# Altium PCB [Ref] TEST002_Bd.PcbDoc
Units mm, origin at the board's own origin, x right, y up, seen from the top; angles counter-clockwise.
Board outline 100 x 100 mm, 4 copper layers (L1 (Sig), L2 (GND), L3 (PWR), L4 (Sig)), stack 1.57 mm thick; 57 components, 19 nets, 1481 pads, 3 vias.
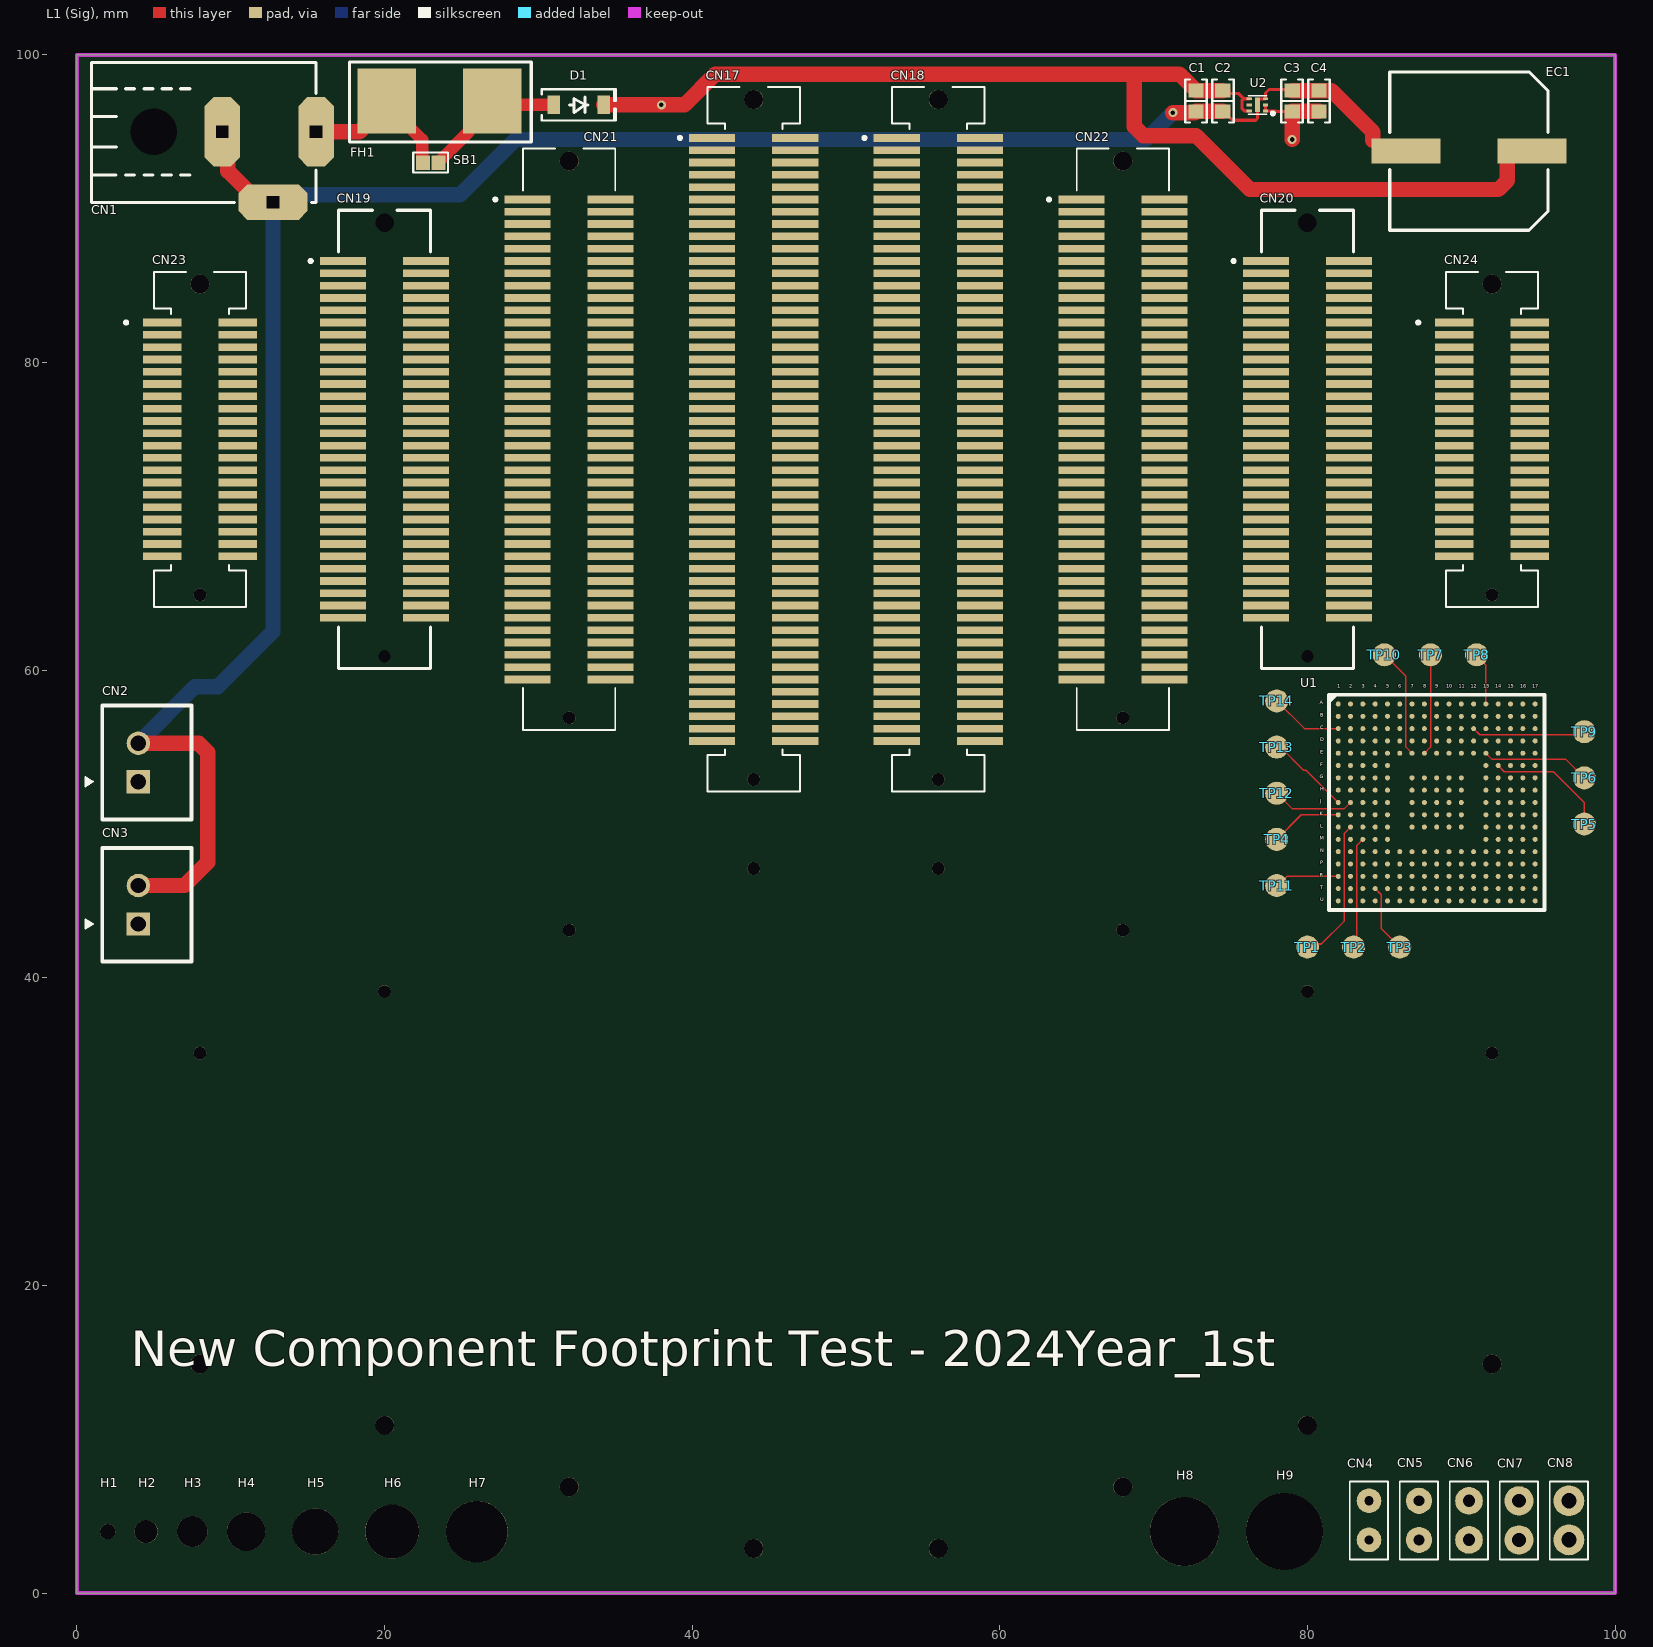
[diagram p0: L1 (Sig) view]
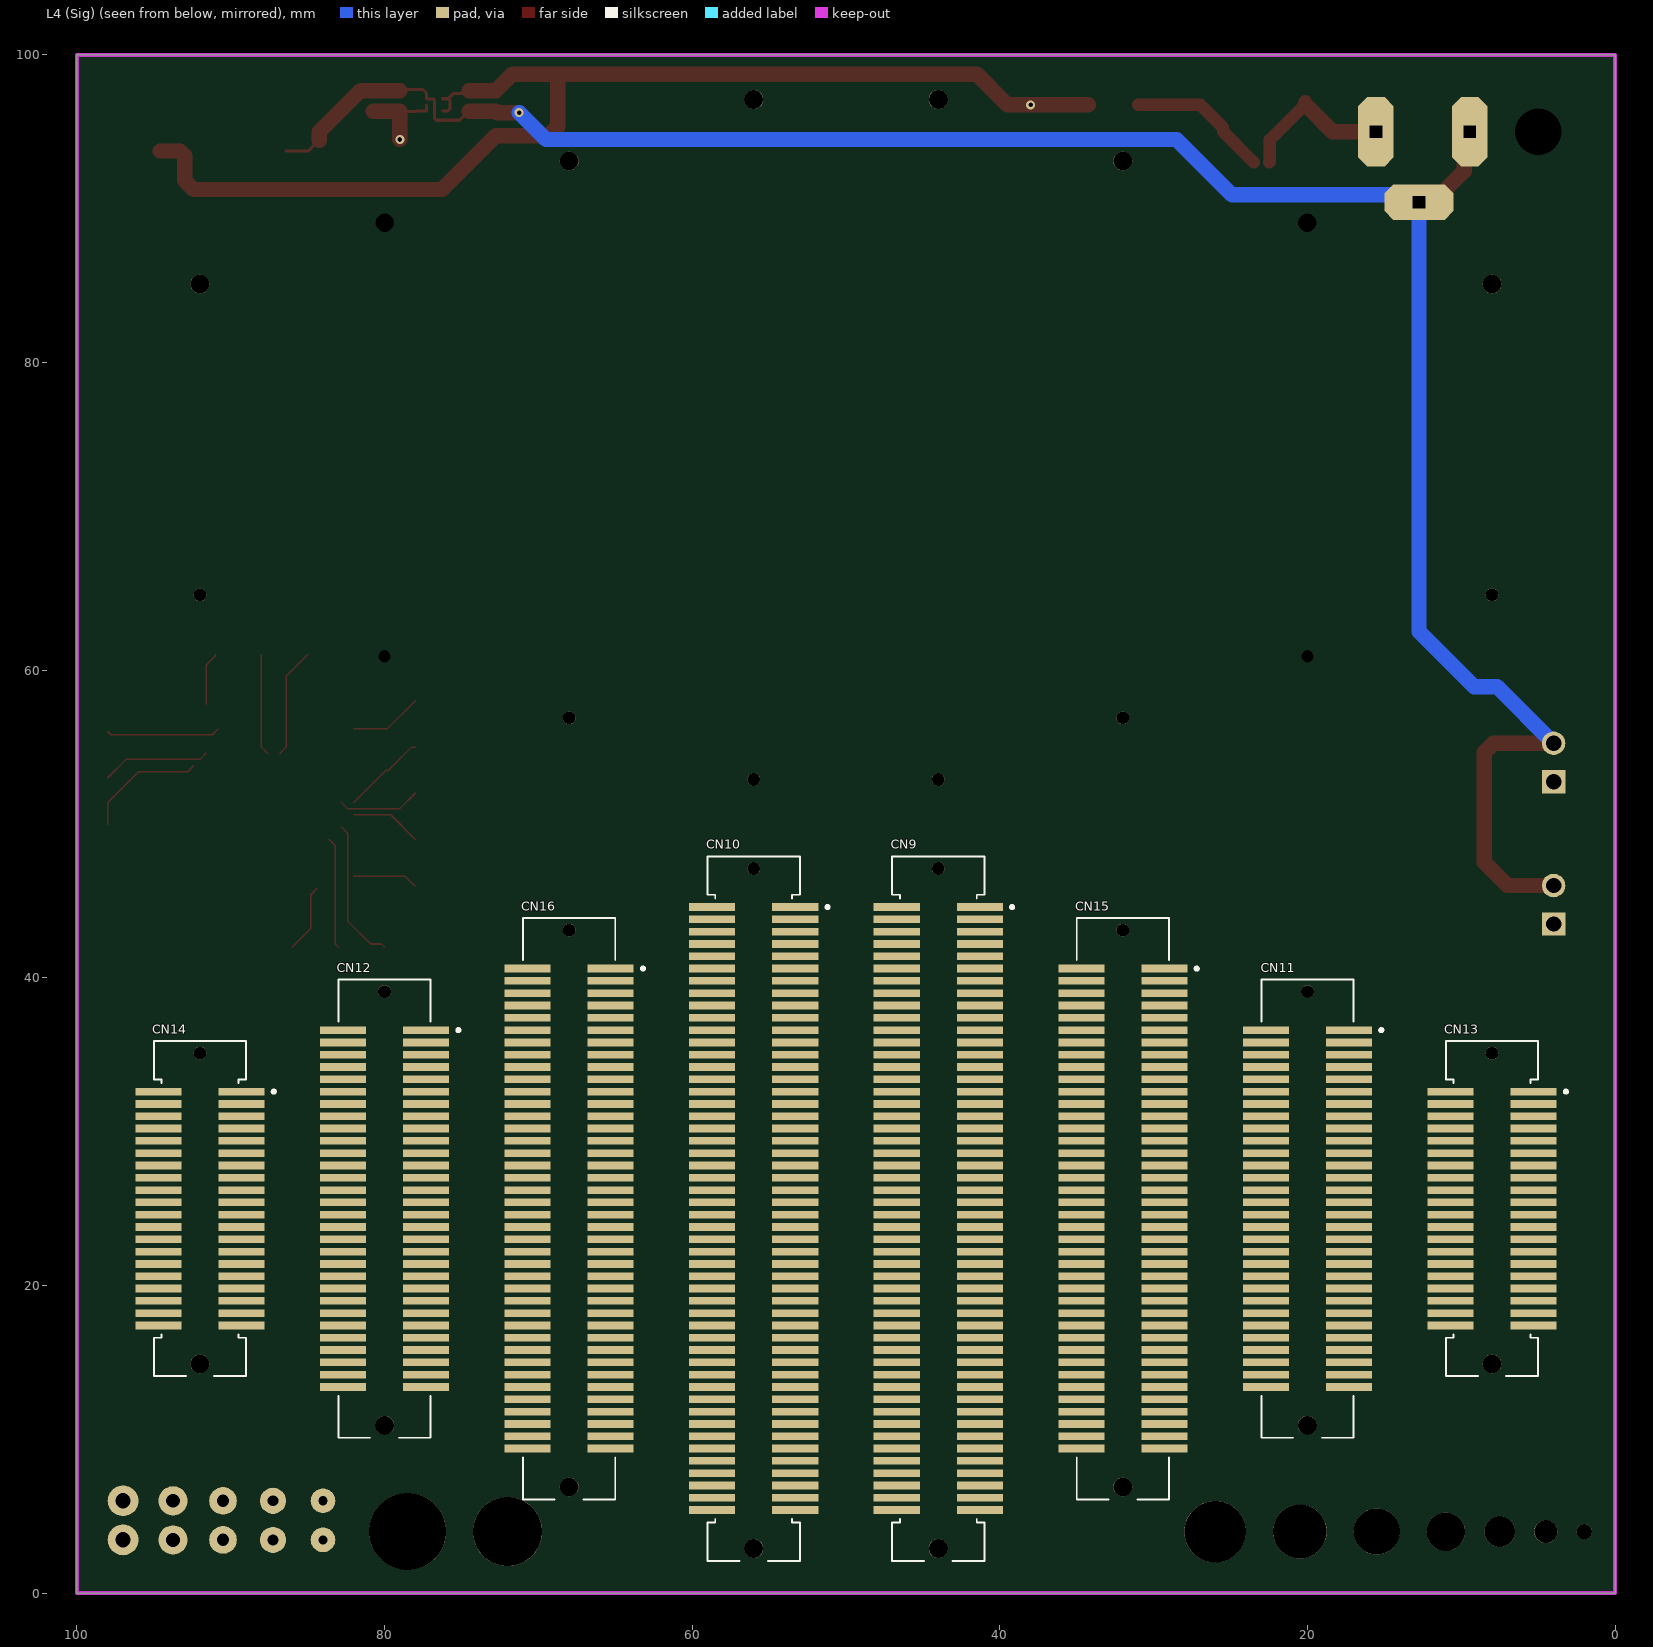
[diagram p1: L4 (Sig) view, seen from below]
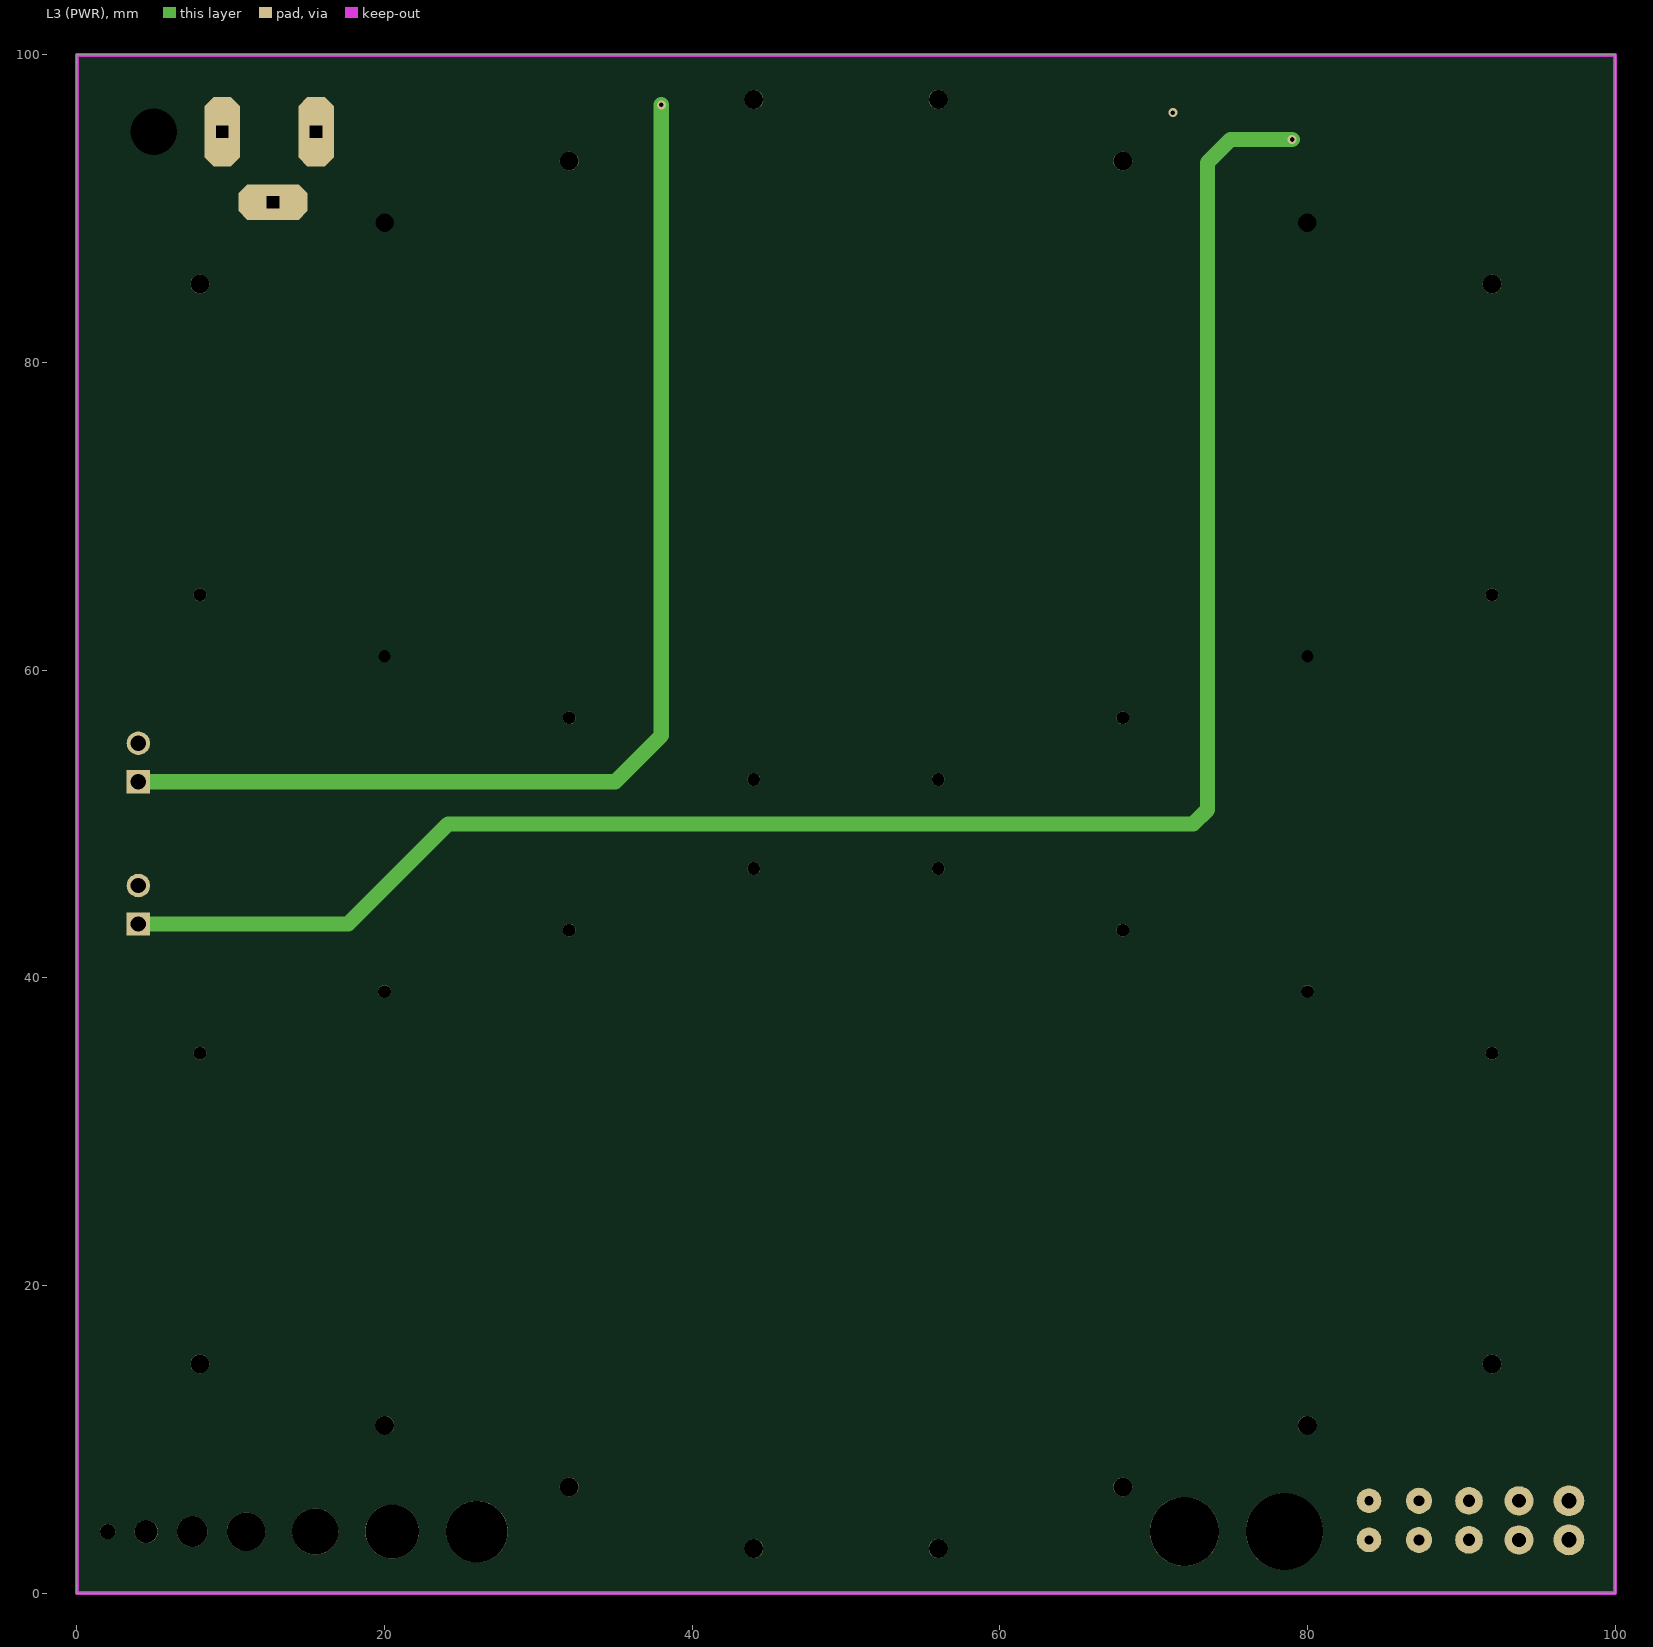
[diagram p2: L3 (PWR)]
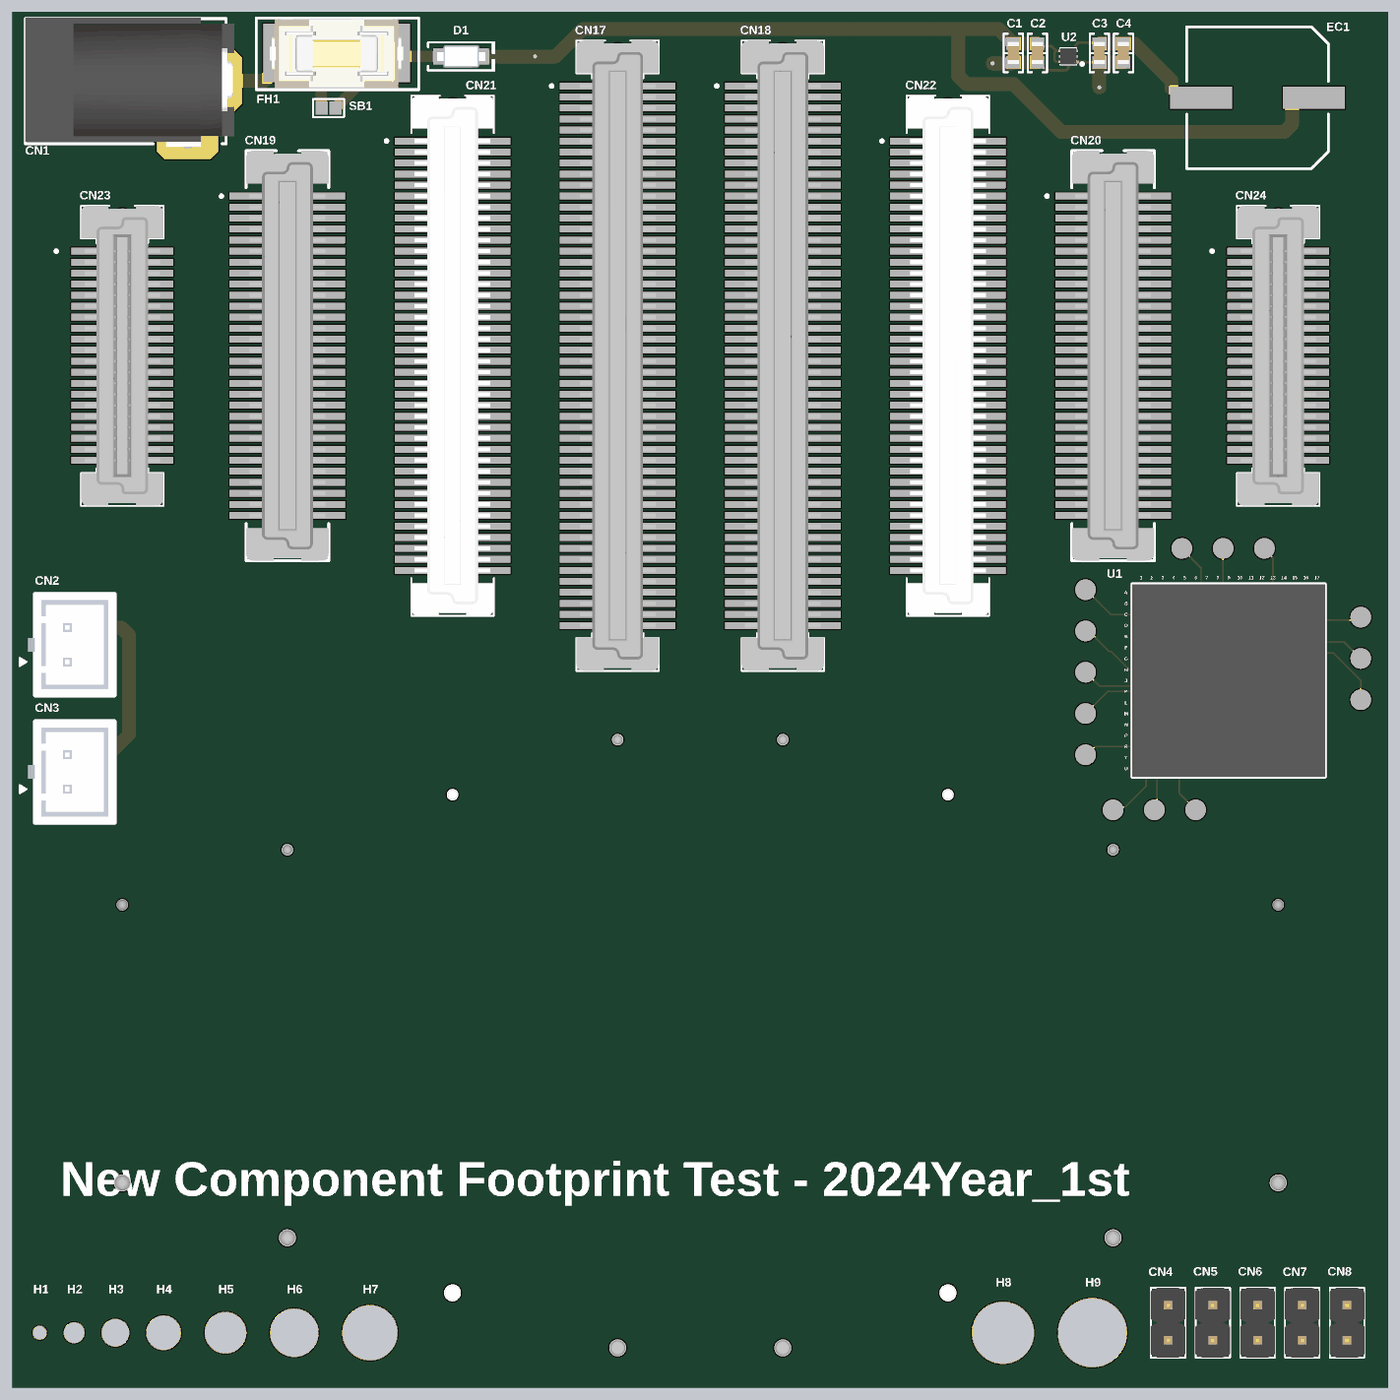
[diagram p3: 3D render of the assembled board from above, using the file's embedded part models]
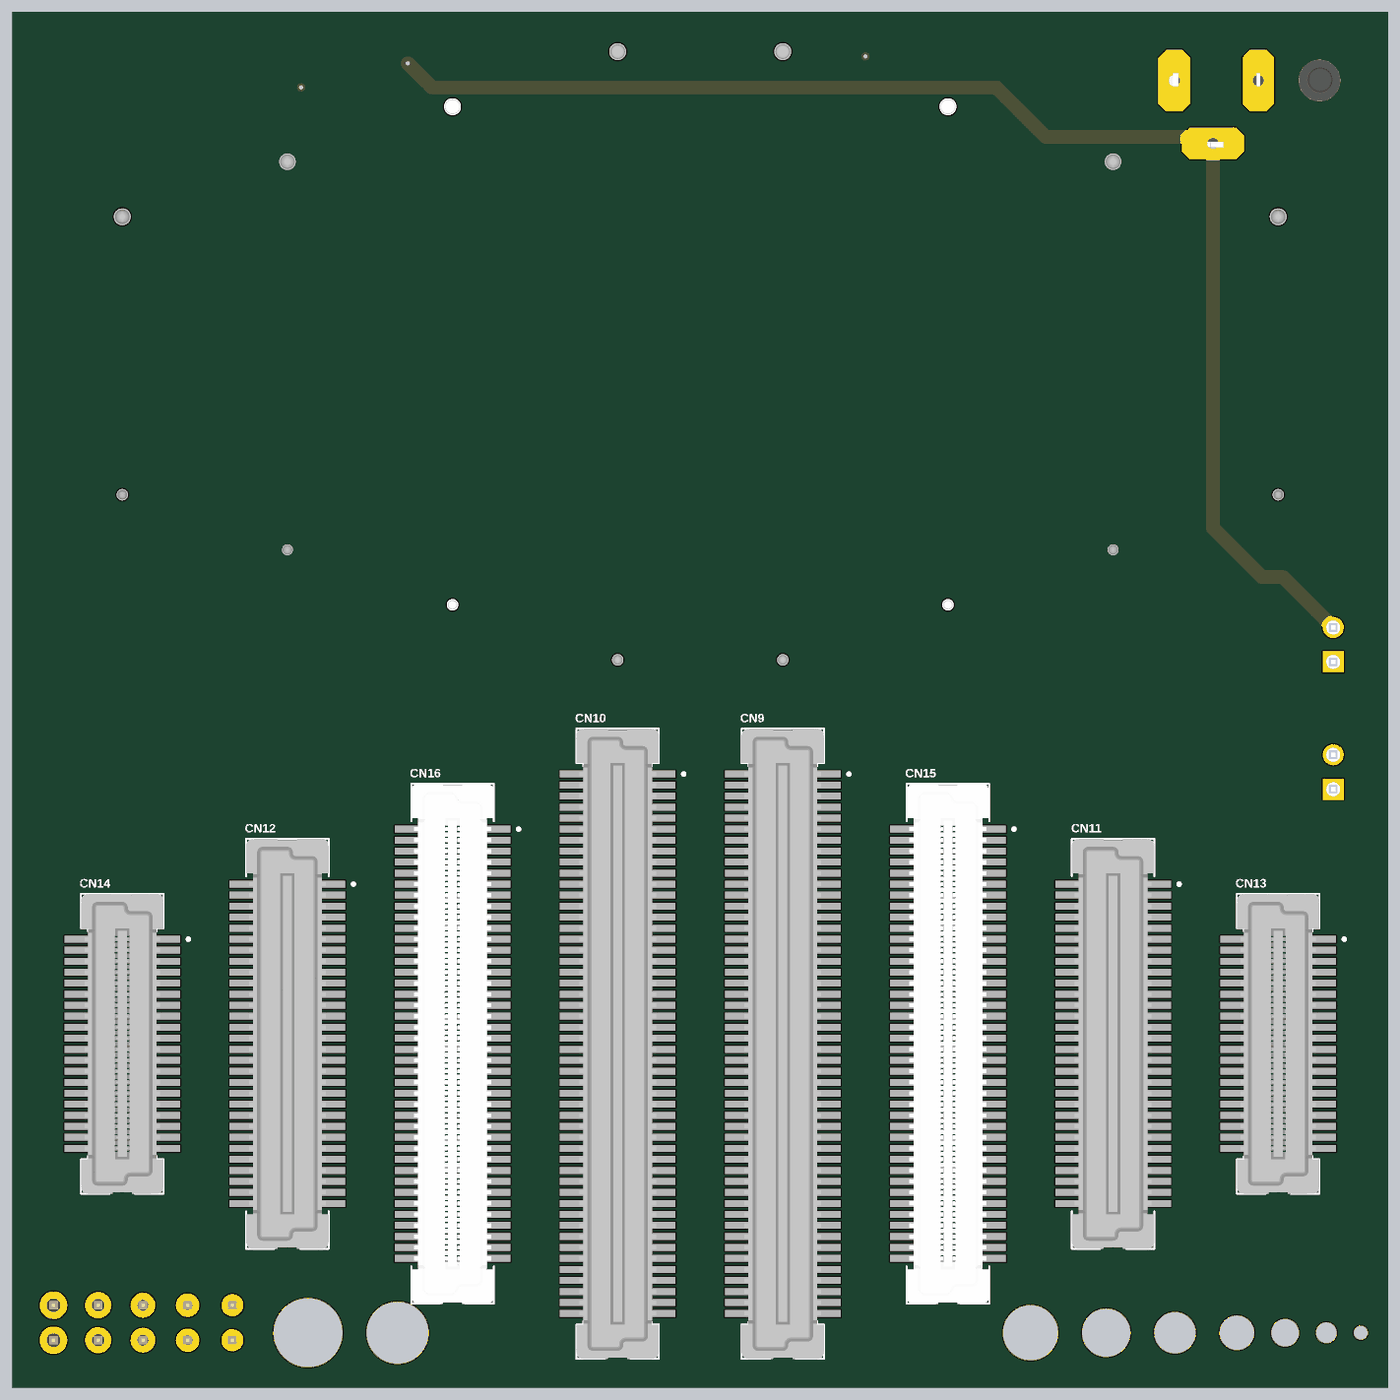
[diagram p4: 3D render of the assembled board from below, using the file's embedded part models]

## Layer stack, top to bottom
Top Mask: solder mask 0.015, Solder Resist, Dk 3.8
L1 (Sig): signal copper 0.035
Dielectric 1: prepreg 0.2, 7628, Dk 4.6
L2 (GND): signal copper 0.0175
Core: core 1.065, FR-4, Dk 4.5
L3 (PWR): signal copper 0.0175
Dielectric 2: prepreg 0.2, 7628, Dk 4.6
L4 (Sig): signal copper 0.035
Bottom Mask: solder mask 0.015, Solder Resist, Dk 3.8

## Board outline
0,0 0,100 100,100 100,0

## Design rules (kind name [scope] priority, off if disabled: settings)
BoardOutlineClearance [All] p1: gap=0.2 ignorepadtopadclearanceinfootprint=FALSE except(0.4: Arc-SplitBarrior Arc-SplitContinuation Track-SplitBarrior Track-SplitContinuation SMDPad-SplitBarrior SMDPad-SplitContinuation THPad-SplitBarrior THPad-SplitContinuation Via-SplitBarrior Via-SplitContinuation Fill-SplitBarrior Fill-SplitContinuation Poly-SplitBarrior Poly-SplitContinuation Region-SplitBarrior Region-SplitContinuation Text-SplitBarrior Text-SplitContinuation)
Clearance "Clearance Bottom Layer" [OnLayer('Bottom Layer')] p1: gap=0.203 ignorepadtopadclearanceinfootprint=TRUE except(0.254: Arc-Text Track-Text SMDPad-Text THPad-Text Via-Text Fill-Text Poly-Text Region-Text Text-Text)
Clearance "Clearance Top Layer" [OnLayer('Top Layer')] p2: gap=0.203 ignorepadtopadclearanceinfootprint=TRUE except(0.254: Arc-Text Track-Text SMDPad-Text THPad-Text Via-Text Fill-Text Poly-Text Region-Text Text-Text)
Clearance [All] p3: gap=0.2 ignorepadtopadclearanceinfootprint=FALSE except(0.089: Arc-Arc Arc-Track Arc-SMDPad Track-Track Track-SMDPad SMDPad-SMDPad; 0.127: Arc-Via Track-Via SMDPad-Via THPad-Via Via-Via; 0.254: Arc-Text Track-Text SMDPad-Text THPad-Text Via-Text Fill-Text Poly-Text Region-Text Text-Text)
HoleSize [All] p1: absolutevalues=TRUE maxlimit=6.3 minlimit=0.2 maxpercent=80.000 minpercent=20.000
MinimumAnnularRing [All] p1: minimumring=0.076
MinimumSolderMaskSliver [All] p1: minsoldermaskwidth=0.1
PolygonConnect PolygonConnect_1 [All] p1: thpad.connectstyle=Relief thpad.reliefconductorwidth=0.508 thpad.reliefentries=4 thpad.polygonreliefangle="90 Angle" thpad.airgapwidth=0.254 smdpad.connectstyle=Relief smdpad.reliefconductorwidth=0.508 smdpad.reliefentries=4 smdpad.polygonreliefangle="90 Angle" smdpad.airgapwidth=0.254 via.connectstyle=Direct via.reliefconductorwidth=0.508 via.reliefentries=4 via.polygonreliefangle="90 Angle" via.airgapwidth=0.254
RoutingCorners [All] p1: cornerstyle=Round minsetback=2.54 maxsetback=2.54
RoutingVias [All] p1: holewidth=0.3 width=0.45 viastyle="Through Hole" minholewidth=0.15 minwidth=0.3 maxholewidth=1 maxwidth=2
SilkToSilkClearance [All] p1: silktosilkclearance=0.1
SilkToSolderMaskClearance [IsPad] p1: minsilkscreentomaskgap=0.1 clearancetoexposedcopper=TRUE
SolderMaskExpansion [All] p1: expansion=0.102 istentingtop=FALSE
Width [All] p1: maxlimit=2 minlimit=0.1 preferedwidth=0.2
25 further rules are at their usual default settings.

## Components (designator, comment, footprint, x,y, rotation, side; value= is the part's Value field where it differs from the comment)
C1 "10uF/10V/1608" "CAP 1608 (0603_INCH)" 72.75,97 r90 top
C2 "100nF/50V/1608" "CAP 1608 (0603_INCH)" 74.5,97 r90 top
C3 "100nF/50V/1608" "CAP 1608 (0603_INCH)" 79,97 r270 top
C4 "10uF/10V/1608" "CAP 1608 (0603_INCH)" 80.75,97 r270 top
CN1 "DC-JACK" DUT_CON_DC-JACK 15.55,90.4 r90 top
CN2 "SMW250-02" CON_SMW250-02 4,54 r270 top
CN3 "SMW250-02" CON_SMW250-02 4,44.75 r270 top
CN4 "PH_2.54MM_2P(0.6PI)" DUT_CON_PIN_HEADER-2PIN(2.54MM)_0.6PI 84,6 r270 top
CN5 "PH_2.54MM_2P(0.7PI)" DUT_CON_PIN_HEADER-2PIN(2.54MM)_0.7PI 87.25,6 r270 top
CN6 "PH_2.54MM_2P(0.8PI)" DUT_CON_PIN_HEADER-2PIN(2.54MM)_0.8PI 90.5,6 r270 top
CN7 "PH_2.54MM_2P(0.9PI)" DUT_CON_PIN_HEADER-2PIN(2.54MM)_0.9PI 93.75,6 r270 top
CN8 "PH_2.54MM_2P(1.0PI)" DUT_CON_PIN_HEADER-2PIN(2.54MM)_1.0PI 97,6 r270 top
CN9 "10144518-101802LF" CON_BergStak-Lite(0.8mm)_PLUG-100P(10144518-101802LF)_HandSolder 44,25 r270 bottom locked
CN10 "10144518-101802LF" CON_BergStak-Lite(0.8mm)_PLUG-100P(10144518-101802LF)_HandSolder 56,25 r270 bottom locked
CN11 "10144518-061802LF" CON_BergStak-Lite(0.8mm)_PLUG-60P(10144518-061802LF)_HandSolder 20,25 r270 bottom locked
CN12 "10144518-061802LF" CON_BergStak-Lite(0.8mm)_PLUG-60P(10144518-061802LF)_HandSolder 80,25 r270 bottom locked
CN13 "10144518-041802LF" CON_BergStak-Lite(0.8mm)_PLUG-40P(10144518-041802LF)_HandSolder 8,25 r270 bottom locked
CN14 "10144518-041802LF" CON_BergStak-Lite(0.8mm)_PLUG-40P(10144518-041802LF)_HandSolder 92,25 r270 bottom locked
CN15 "10144518-081802LF" CON_BergStak-Lite(0.8mm)_PLUG-80P(10144518-081802LF)_HandSolder 32,25 r270 bottom locked
CN16 "10144518-081802LF" CON_BergStak-Lite(0.8mm)_PLUG-80P(10144518-081802LF)_HandSolder 68,25 r270 bottom locked
CN17 "10144517-101802LF" CON_BergStak-Lite(0.8mm)_RCPT-100P(10144517-101802LF)_HandSolder 44,75 r90 top locked
CN18 "10144517-101802LF" CON_BergStak-Lite(0.8mm)_RCPT-100P(10144517-101802LF)_HandSolder 56,75 r90 top locked
CN19 "10144517-061802LF" CON_BergStak-Lite(0.8mm)_RCPT-60P(10144517-061802LF)_HandSolder 20,75 r90 top locked
CN20 "10144517-061802LF" CON_BergStak-Lite(0.8mm)_RCPT-60P(10144517-061802LF)_HandSolder 80,75 r90 top locked
CN21 "10144517-081802LF" CON_BergStak-Lite(0.8mm)_RCPT-80P(10144517-081802LF)_HandSolder 32,75 r90 top locked
CN22 "10144517-081802LF" CON_BergStak-Lite(0.8mm)_RCPT-80P(10144517-081802LF)_HandSolder 68,75 r90 top locked
CN23 "10144517-041802LF" CON_BergStak-Lite(0.8mm)_RCPT-40P(10144517-041802LF)_HandSolder 8,75 r90 top locked
CN24 "10144517-041802LF" CON_BergStak-Lite(0.8mm)_RCPT-40P(10144517-041802LF)_HandSolder 92,75 r90 top locked
D1 "B5819W" DIO_SOD-123 32.63,96.75 r0 top
EC1 "330uF/35V/10Øx10" CAP_EC_D10.3MM_H10.5MM 90.5,93.75 r180 top
FH1 "01550900M" "FUSE 01550900M_SMD" 20.142,97 r0 top
H1 "NTH-1MM" DUT_HOLE_NTH-1.0MM 2,4 r0 top
H2 "NTH-1.5MM" DUT_HOLE_NTH-1.5MM 4.5,4 r0 top
H3 "NTH-2MM" DUT_HOLE_NTH-2.0MM 7.5,4 r0 top
H4 "NTH-2.5MM" DUT_HOLE_NTH-2.5MM 11,4 r0 top
H5 "NTH-3MM" DUT_HOLE_NTH-3.0MM 15.5,4 r0 top
H6 "NTH-3.5MM" DUT_HOLE_NTH-3.5MM 20.5,4 r0 top
H7 "NTH-4MM" DUT_HOLE_NTH-4.0MM 26,4 r0 top
H8 "NTH-4.5MM" DUT_HOLE_NTH-4.5MM 72,4 r0 top
H9 "NTH-5MM" DUT_HOLE_NTH-5.0MM 78.5,4 r0 top
SB1 "SB" DUT_SB_Solder-Bridge 23,93 r0 top
TP1 "TP_CIRCLE" "TP Circle" 80,42 r90 top
TP2 "TP_CIRCLE" "TP Circle" 83,42 r90 top
TP3 "TP_CIRCLE" "TP Circle" 86,42 r90 top
TP4 "TP_CIRCLE" "TP Circle" 78,49 r90 top
TP5 "TP_CIRCLE" "TP Circle" 98,50 r90 top
TP6 "TP_CIRCLE" "TP Circle" 98,53 r90 top
TP7 "TP_CIRCLE" "TP Circle" 88,61 r90 top
TP8 "TP_CIRCLE" "TP Circle" 91,61 r90 top
TP9 "TP_CIRCLE" "TP Circle" 98,56 r90 top
TP10 "TP_CIRCLE" "TP Circle" 85,61 r90 top
TP11 "TP_CIRCLE" "TP Circle" 78,46 r90 top
TP12 "TP_CIRCLE" "TP Circle" 78,52 r90 top
TP13 "TP_CIRCLE" "TP Circle" 78,55 r90 top
TP14 "TP_CIRCLE" "TP Circle" 78,58 r90 top
U1 "STM32H743XIH6" "IC TFBGA-265" 88.4,51.4 r0 top
U2 "MIC5528-3.3YMT-TR" IC_TDFN-6 76.75,96.75 r180 top
